# Altium PCB HIVE_BOARD - 10x10.PcbDoc (part 2 of 4)
Units mm, origin at the board's own origin, x right, y up, seen from the top; angles counter-clockwise.
Board outline 100 x 100 mm, 8 copper layers (Top, GND_1, Signal_1, GND_2, PWR, Signal_2, GND_3, Bottom), stack 1.6 mm thick; 627 components, 452 nets, 2398 pads, 70 vias.
Unrouted connection lines stored in the file: 1823.
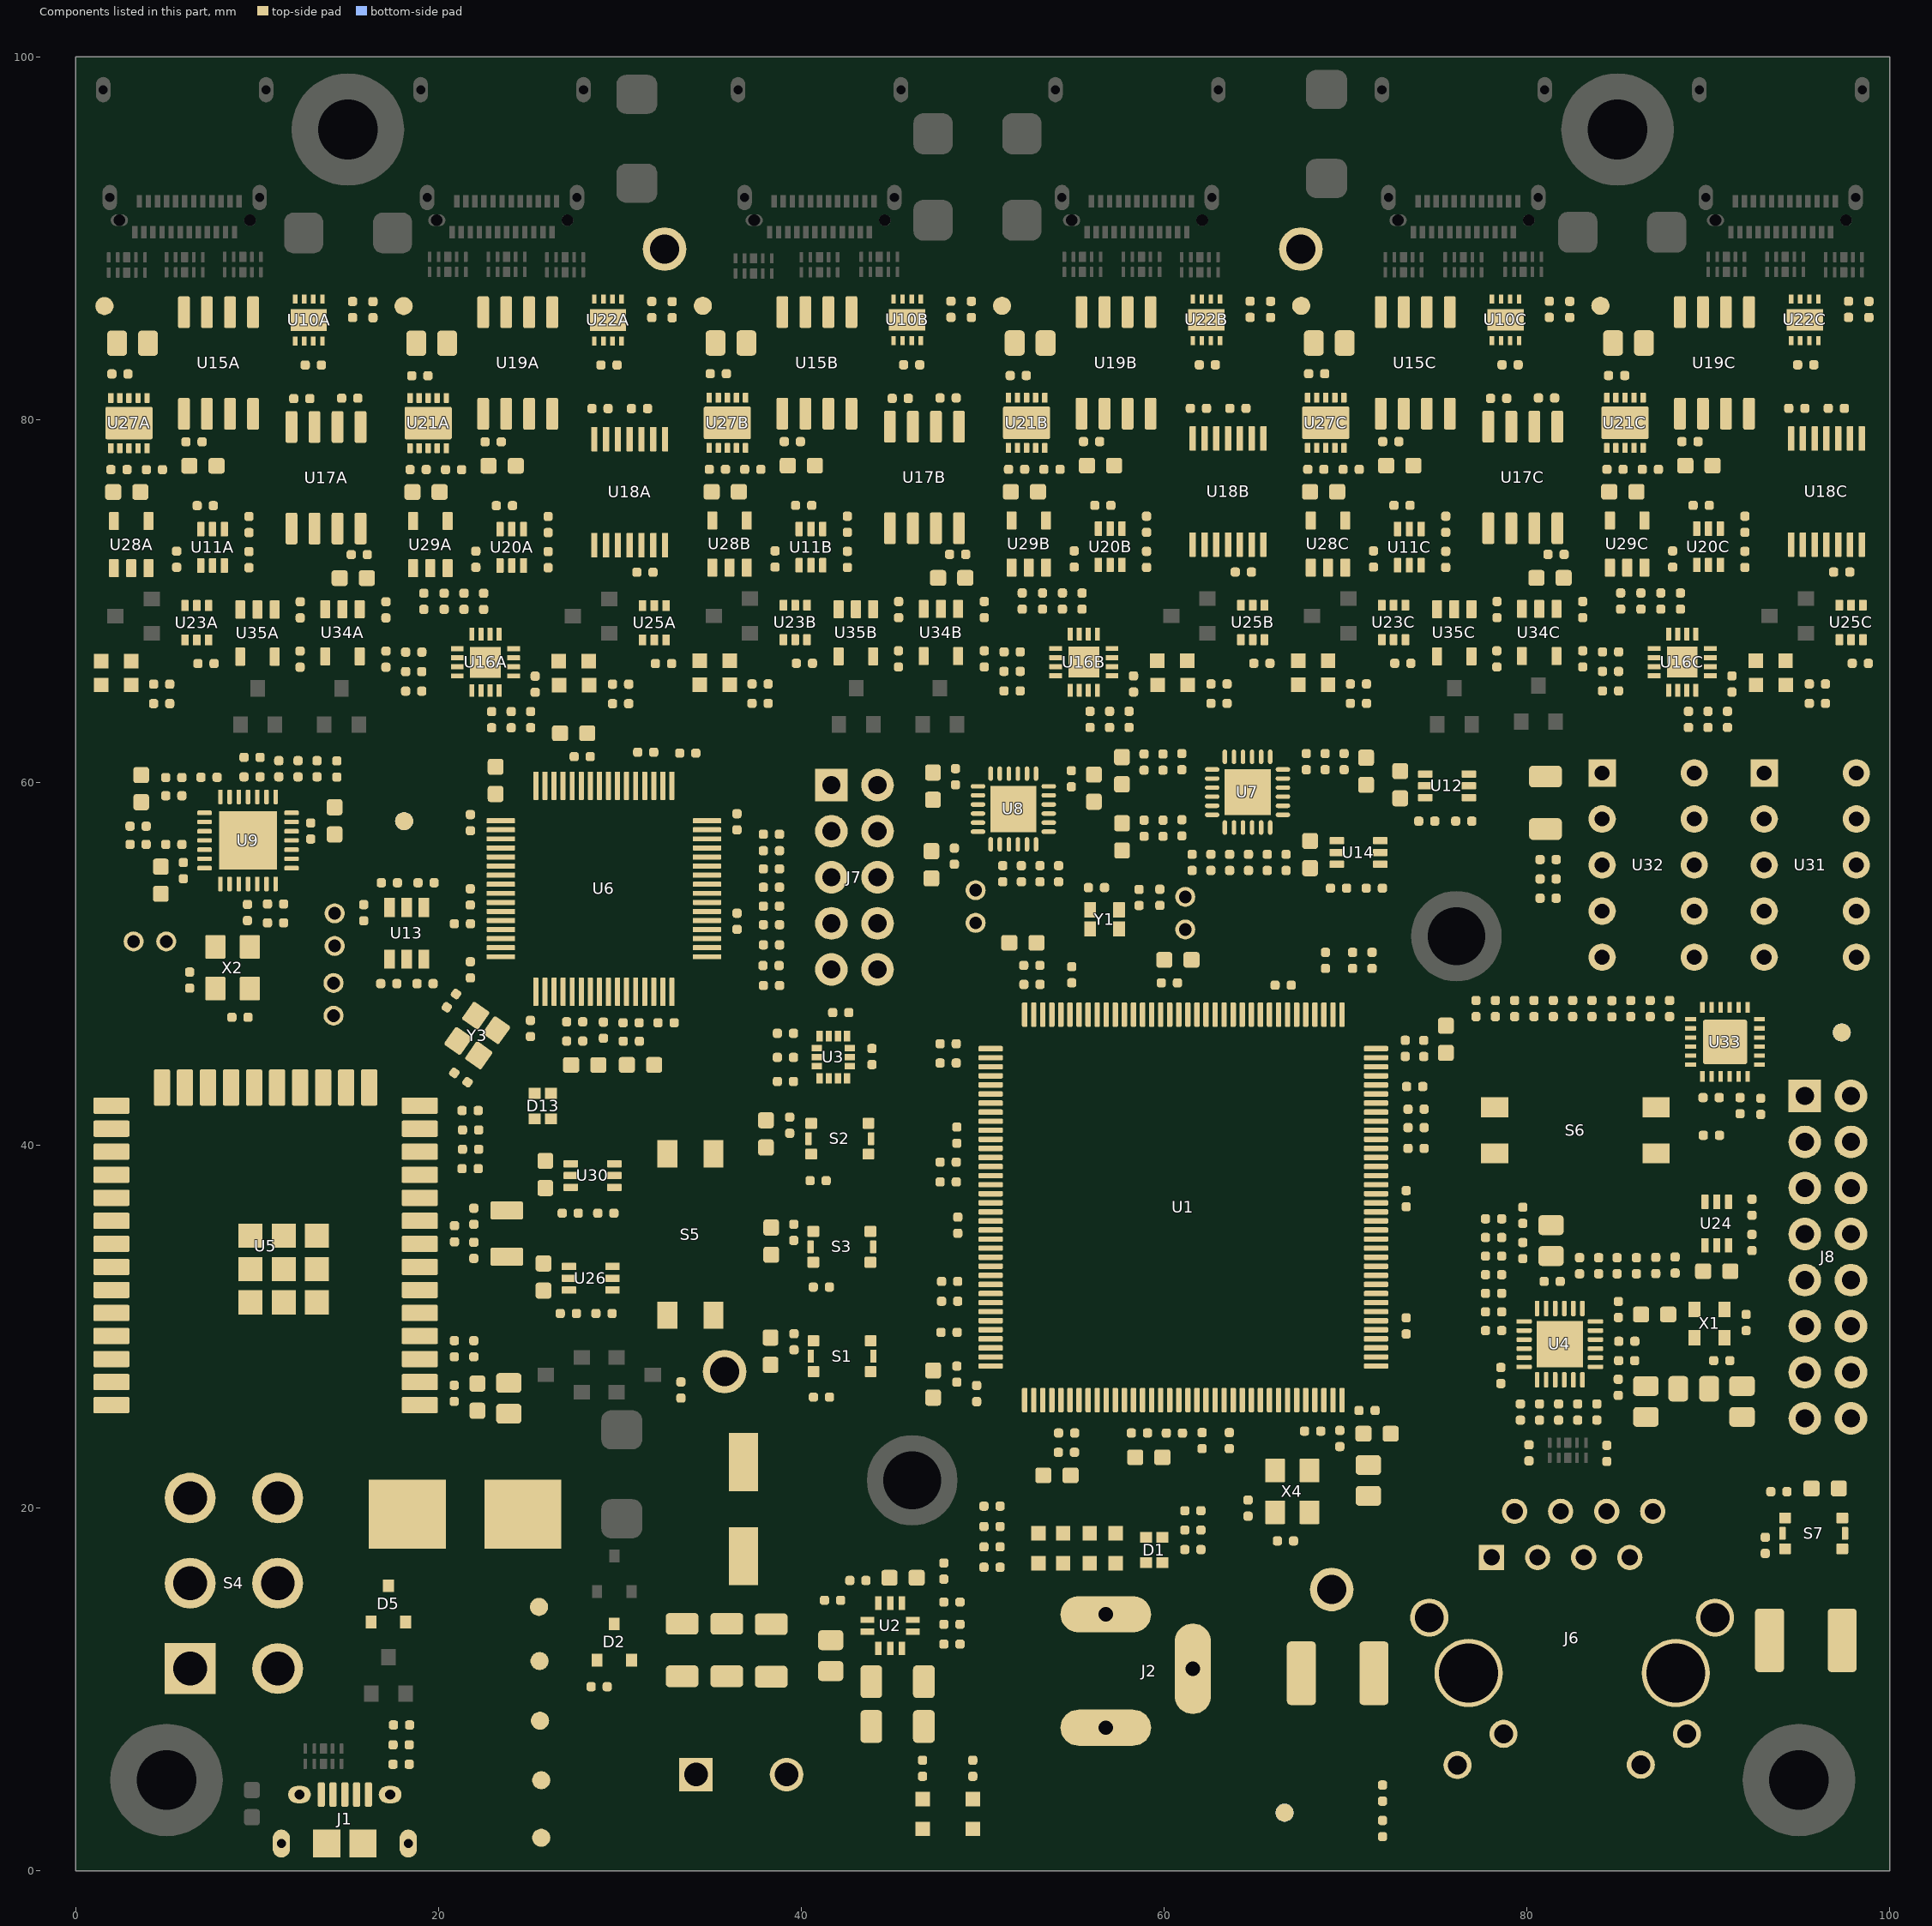
[diagram p6: the components of this part, seen from the top]

## Components (designator, comment, footprint, x,y, rotation, side; value= is the part's Value field where it differs from the comment) (continued)
R69 "RC0402FR-0710KL" RES_0402#2 17.286,54.471 r180 top value=10k
R70 "RC0402FR-071ML" RES_0402#2 25.064,46.437 r90 top value=1M
R71 "RC0402FR-07150RL" RES_0402#2 39.358,41.105 r90 top value=150R
R72 "RC0402FR-072K2L" RES_0402#2 19.253,48.909 r180 top value=2k2
R73 "RC0402FR-0710KL" RES_0402#2 78.166,29.786 r180 top value=10k
R74 "RC0402FR-0712KL" RES_0402#2 29.084,46.345 r90 top value=12k
R75 "RC0402FR-0710KL" RES_0402#2 85.51,29.192 r180 top value=10k
R76 "RC0402FR-0710KL" RES_0402#2 85.506,28.125 r180 top value=10k
R77A "ERJ-2RKF4750X" RES_0402#1 4.731,65.42 r0 top value=475R (schematic designator R77)
R77B "ERJ-2RKF4750X" RES_0402#1 37.724,65.433 r0 top value=475R (schematic designator R77)
R77C "ERJ-2RKF4750X" RES_0402#1 70.717,65.433 r0 top value=475R (schematic designator R77)
R78 "RC0402FR-0710KL" RES_0402#2 79.779,34.192 r90 top value=10k
R79 "RC0402FR-07100RP" RES_0402#2 38.349,53.184 r180 top value=100R
R80 "RC0402FR-071KL" RES_0402#2 63.615,55.594 r270 top value=1k
R81 "RC0402FR-071KL" RES_0402#2 61.543,55.594 r270 top value=1k
R82 "RC0402FR-0733RL" RES_0402#2 58.622,53.662 r270 top value=33R
R83 "RC0402FR-071KL" RES_0402#2 64.652,55.596 r90 top value=1k
R84 "RC0402FR-071KL" RES_0402#2 62.579,55.596 r90 top value=1k
R85 "RC0402FR-071KL" RES_0402#2 65.688,55.594 r270 top value=1k
R86 "RC0402FR-071KL" RES_0402#2 66.724,55.594 r270 top value=1k
R87 "RC0402FR-071KL" RES_0402#2 51.105,54.97 r270 top value=1k
R88 "RC0402FR-071KL" RES_0402#1 52.131,54.972 r90 top value=1k
R89 "RC0402FR-071KL" RES_0402#2 53.157,54.97 r270 top value=1k
R90 "RC0402FR-071KL" RES_0402#2 54.184,54.97 r270 top value=1k
R91 "RC0402FR-0710KL" RES_0402#1 21.942,28.778 r90 top value=10k
R92 "RC0402FR-0710KL" RES_0402#2 33.36,26.504 r90 top value=10k
R93A "RC0402FR-07100KL" RES_0402#2 9.543,74.225 r270 top value=100k (schematic designator R93)
R93B "RC0402FR-07100KL" RES_0402#2 42.536,74.238 r270 top value=100k (schematic designator R93)
R93C "RC0402FR-07100KL" RES_0402#2 75.529,74.238 r270 top value=100k (schematic designator R93)
R94A "RC0402FR-07100RP" RES_0402#2 13.091,83.016 r0 top value=100R (schematic designator R94)
R94B "RC0402FR-07100RP" RES_0402#2 46.084,83.029 r0 top value=100R (schematic designator R94)
R94C "RC0402FR-07100RP" RES_0402#2 79.077,83.029 r0 top value=100R (schematic designator R94)
R95A "RC0402FR-07100KL" RES_0402#2 5.556,72.308 r270 top value=100k (schematic designator R95)
R95B "RC0402FR-07100KL" RES_0402#2 38.549,72.322 r270 top value=100k (schematic designator R95)
R95C "RC0402FR-07100KL" RES_0402#2 71.542,72.322 r270 top value=100k (schematic designator R95)
R96 "RC0402FR-07100KL" RES_0402#1 74.482,57.871 r0 top value=100k
R97A "RC0402FR-07100KL" RES_0402#2 9.543,72.288 r90 top value=100k (schematic designator R97)
R97B "RC0402FR-07100KL" RES_0402#2 42.536,72.302 r90 top value=100k (schematic designator R97)
R97C "RC0402FR-07100KL" RES_0402#2 75.53,72.302 r90 top value=100k (schematic designator R97)
R98 "RC0402FR-07100KL" RES_0402#1 69.618,54.174 r180 top value=100k
R99A "RC0402FR-07100KL" RES_0402#2 31.376,71.59 r0 top value=100k (schematic designator R99)
R99B "RC0402FR-07100KL" RES_0402#2 64.369,71.604 r0 top value=100k (schematic designator R99)
R99C "RC0402FR-07100KL" RES_0402#2 97.362,71.604 r0 top value=100k (schematic designator R99)
R100A "RC0402FR-07100KL" RES_0402#2 22.484,69.988 r270 top value=100k (schematic designator R100)
R100B "RC0402FR-07100KL" RES_0402#2 55.477,70.002 r270 top value=100k (schematic designator R100)
R100C "RC0402FR-07100KL" RES_0402#2 88.47,70.002 r270 top value=100k (schematic designator R100)
R101A "RC0402FR-07100KL" RES_0402#1 24.001,63.466 r270 top value=100k (schematic designator R101)
R101B "RC0402FR-07100KL" RES_0402#1 56.994,63.479 r270 top value=100k (schematic designator R101)
R101C "RC0402FR-07100KL" RES_0402#1 89.987,63.479 r270 top value=100k (schematic designator R101)
R102A "RC0402FR-070RL" RES_0402#2 22.925,63.466 r270 top value=0R (schematic designator R102)
R102B "RC0402FR-070RL" RES_0402#2 55.918,63.479 r270 top value=0R (schematic designator R102)
R102C "RC0402FR-070RL" RES_0402#2 88.911,63.479 r270 top value=0R (schematic designator R102)
R103A "RC0402FR-0784R5L" RES_0402#2 15.1,81.19 r0 top value=84R5 (schematic designator R103)
R103B "RC0402FR-0784R5L" RES_0402#2 48.093,81.203 r0 top value=84R5 (schematic designator R103)
R103C "RC0402FR-0784R5L" RES_0402#2 81.086,81.203 r0 top value=84R5 (schematic designator R103)
R104A "RC0402FR-0784R5L" RES_0402#2 12.458,81.165 r0 top value=84R5 (schematic designator R104)
R104B "RC0402FR-0784R5L" RES_0402#2 45.451,81.178 r0 top value=84R5 (schematic designator R104)
R104C "RC0402FR-0784R5L" RES_0402#2 78.445,81.178 r0 top value=84R5 (schematic designator R104)
R105A "RC0402FR-070RL" RES_0402#2 18.627,66.114 r180 top value=0R (schematic designator R105)
R105B "RC0402FR-070RL" RES_0402#2 51.62,66.127 r180 top value=0R (schematic designator R105)
R105C "RC0402FR-070RL" RES_0402#2 84.613,66.127 r180 top value=0R (schematic designator R105)
R106A "RC0402FR-07100KL" RES_0402#2 21.4,69.99 r90 top value=100k (schematic designator R106)
R106B "RC0402FR-07100KL" RES_0402#2 54.393,70.004 r90 top value=100k (schematic designator R106)
R106C "RC0402FR-07100KL" RES_0402#2 87.386,70.004 r90 top value=100k (schematic designator R106)
R107A "RC0402FR-07100KL" RES_0402#2 20.305,69.991 r270 top value=100k (schematic designator R107)
R107B "RC0402FR-07100KL" RES_0402#2 53.298,70.004 r270 top value=100k (schematic designator R107)
R107C "RC0402FR-07100KL" RES_0402#2 86.291,70.004 r270 top value=100k (schematic designator R107)
R108A "RC0402FR-0740K2L" RES_0402#2 19.186,69.991 r270 top value=40k2 (schematic designator R108)
R108B "RC0402FR-0740K2L" RES_0402#2 52.179,70.004 r270 top value=40k2 (schematic designator R108)
R108C "RC0402FR-0740K2L" RES_0402#2 85.172,70.004 r270 top value=40k2 (schematic designator R108)
R109 "RC0402FR-07100KL" RES_0402#1 92.412,34.636 r90 top value=100k
R110A "ERJ-2RKF4750X" RES_0402#2 30.034,65.419 r0 top value=475R (schematic designator R110)
R110B "ERJ-2RKF4750X" RES_0402#2 63.027,65.432 r0 top value=475R (schematic designator R110)
R110C "ERJ-2RKF4750X" RES_0402#2 96.02,65.432 r0 top value=475R (schematic designator R110)
R111A "RC0402FR-07100KL" RES_0402#2 18.627,65.038 r180 top value=100k (schematic designator R111)
R111B "RC0402FR-07100KL" RES_0402#1 51.62,65.051 r180 top value=100k (schematic designator R111)
R111C "RC0402FR-07100KL" RES_0402#1 84.613,65.051 r180 top value=100k (schematic designator R111)
R112A "RC0402FR-07100KL" RES_0402#2 26.039,74.225 r270 top value=100k (schematic designator R112)
R112B "RC0402FR-07100KL" RES_0402#2 59.032,74.238 r270 top value=100k (schematic designator R112)
R112C "RC0402FR-07100KL" RES_0402#2 92.025,74.238 r270 top value=100k (schematic designator R112)
R113A "RC0402FR-07100KL" RES_0402#1 18.629,67.19 r0 top value=100k (schematic designator R113)
R113B "RC0402FR-07100KL" RES_0402#1 51.622,67.203 r0 top value=100k (schematic designator R113)
R113C "RC0402FR-07100KL" RES_0402#1 84.615,67.203 r0 top value=100k (schematic designator R113)
R114 "RC0402FR-0710KL" RES_0402#1 90.176,40.547 r0 top value=10k
R115A "ERJ-2RKF4750X" RES_0402#2 4.731,64.35 r0 top value=475R (schematic designator R115)
R115B "ERJ-2RKF4750X" RES_0402#2 37.724,64.363 r0 top value=475R (schematic designator R115)
R115C "ERJ-2RKF4750X" RES_0402#2 70.717,64.363 r0 top value=475R (schematic designator R115)
R116 "RC0402FR-0710KL" RES_0402#1 48.176,31.398 r0 top value=10k
R117A "RC0402FR-07100KL" RES_0402#2 22.052,72.308 r270 top value=100k (schematic designator R117)
R117B "RC0402FR-07100KL" RES_0402#2 55.045,72.322 r270 top value=100k (schematic designator R117)
R117C "RC0402FR-07100KL" RES_0402#2 88.038,72.322 r270 top value=100k (schematic designator R117)
R118A "RC0402FR-07100KL" RES_0402#2 26.039,72.288 r90 top value=100k (schematic designator R118)
R118B "RC0402FR-07100KL" RES_0402#2 59.032,72.302 r90 top value=100k (schematic designator R118)
R118C "RC0402FR-07100KL" RES_0402#2 92.026,72.302 r90 top value=100k (schematic designator R118)
R119A "RC0402FR-07100KL" RES_0402#2 31.077,80.617 r180 top value=100k (schematic designator R119)
R119B "RC0402FR-07100KL" RES_0402#2 64.07,80.63 r180 top value=100k (schematic designator R119)
R119C "RC0402FR-07100KL" RES_0402#2 97.063,80.63 r180 top value=100k (schematic designator R119)
R120 "RC0402FR-07100KL" RES_0402#1 27.154,30.725 r0 top value=100k
R121 "RC0402FR-0710KL" RES_0402#1 93.896,20.899 r180 top value=10k
R122 "RC0402FR-0710KL" RES_0402#1 48.176,32.49 r180 top value=10k
R123A "ERJ-2RKF4750X" RES_0402#2 30.034,64.349 r0 top value=475R (schematic designator R123)
R123B "ERJ-2RKF4750X" RES_0402#2 63.027,64.362 r0 top value=475R (schematic designator R123)
R123C "ERJ-2RKF4750X" RES_0402#2 96.02,64.362 r0 top value=475R (schematic designator R123)
R124A "RC0402FR-07100KL" RES_0402#2 25.077,63.468 r90 top value=100k (schematic designator R124)
R124B "RC0402FR-07100KL" RES_0402#2 58.07,63.481 r90 top value=100k (schematic designator R124)
R124C "RC0402FR-07100KL" RES_0402#2 91.063,63.481 r90 top value=100k (schematic designator R124)
R125 "RC0402FR-07100KL" RES_0402#1 27.255,36.255 r0 top value=100k
R126 "RC0402FR-0710KL" RES_0402#1 33.738,61.618 r0 top value=10k
R127A "RC0402FR-07100KL" RES_0402#2 20.825,77.251 r0 top value=100k (schematic designator R127)
R127B "RC0402FR-07100KL" RES_0402#2 53.818,77.264 r0 top value=100k (schematic designator R127)
R127C "RC0402FR-07100KL" RES_0402#2 86.811,77.264 r0 top value=100k (schematic designator R127)
R128A "RC0402FR-07100RP" RES_0402#2 29.392,83.016 r0 top value=100R (schematic designator R128)
R128B "RC0402FR-07100RP" RES_0402#2 62.385,83.029 r0 top value=100R (schematic designator R128)
R128C "RC0402FR-07100RP" RES_0402#2 95.379,83.029 r0 top value=100R (schematic designator R128)
R129 "ERJ-2RKF4750X" RES_0402#1 50.514,16.733 r0 top value=475R
R130 "RC0402FR-0747RL" RES_0402#1 69.689,23.831 r90 top value=47R
R131 "RC0402FR-07100KL" RES_0402#1 39.124,46.17 r0 top value=100k
R132 "RC0402FR-071ML" RES_0402#2 20.876,35.119 r270 top value=1M
R133A "RC0402FR-07100KL" RES_0402#2 4.329,77.251 r0 top value=100k (schematic designator R133)
R133B "RC0402FR-07100KL" RES_0402#1 37.322,77.264 r0 top value=100k (schematic designator R133)
R133C "RC0402FR-07100KL" RES_0402#1 70.315,77.264 r0 top value=100k (schematic designator R133)
R134 "RC0402FR-0710KL" RES_0402#1 91.756,42.183 r270 top value=10k
R135 "RC0402FR-07150RL" RES_0402#1 81.459,47.536 r90 top value=150R
R136 "RC0402FR-07150RL" RES_0402#1 81.172,55.75 r0 top value=150R
R137 "RC0402FR-07150RL" RES_0402#1 82.525,47.536 r90 top value=150R
R138 "RC0402FR-07150RL" RES_0402#1 81.172,54.684 r0 top value=150R
R139 "RC0402FR-07150RL" RES_0402#1 83.59,47.536 r90 top value=150R
R140 "RC0402FR-07150RL" RES_0402#1 81.172,53.619 r0 top value=150R
R141 "RC0402FR-07150RL" RES_0402#1 77.198,47.536 r90 top value=150R
R142 "RC0402FR-07150RL" RES_0402#1 84.687,47.525 r90 top value=150R
R143 "RC0402FR-07150RL" RES_0402#1 78.263,47.536 r90 top value=150R
R144 "RC0402FR-07150RL" RES_0402#1 85.73,47.536 r90 top value=150R
R145 "RC0402FR-07150RL" RES_0402#1 80.394,47.536 r90 top value=150R
R146 "RC0402FR-07150RL" RES_0402#1 87.872,47.536 r90 top value=150R
R147 "RC0402FR-07150RL" RES_0402#1 79.329,47.536 r90 top value=150R
R148 "RC0402FR-07150RL" RES_0402#1 86.807,47.536 r90 top value=150R
R149 "RC0402FR-07150RL" RES_0402#1 93.146,17.94 r270 top value=150R
R151A "CRCW04023R48FKED" RES_0402#1 2.428,82.526 r0 top value=3R48 (schematic designator R151)
R151B "CRCW04023R48FKED" RES_0402#1 35.421,82.539 r0 top value=3R48 (schematic designator R151)
R151C "CRCW04023R48FKED" RES_0402#1 68.414,82.539 r0 top value=3R48 (schematic designator R151)
R152A "CRCW04023R48FKED" RES_0402#1 18.966,82.426 r0 top value=3R48 (schematic designator R152)
R152B "CRCW04023R48FKED" RES_0402#1 51.959,82.439 r0 top value=3R48 (schematic designator R152)
R152C "CRCW04023R48FKED" RES_0402#1 84.952,82.439 r0 top value=3R48 (schematic designator R152)
R153 "RC0402FR-0710KL" RES_0402#1 92.894,42.143 r270 top value=10k
R154A "RC0402FR-07100KL" RES_0402#1 17.094,69.52 r90 top value=100k (schematic designator R154)
R154B "RC0402FR-07100KL" RES_0402#1 50.087,69.533 r90 top value=100k (schematic designator R154)
R154C "RC0402FR-07100KL" RES_0402#1 83.08,69.533 r90 top value=100k (schematic designator R154)
R155A "RC0402FR-07100KL" RES_0402#1 12.37,69.52 r90 top value=100k (schematic designator R155)
R155B "RC0402FR-07100KL" RES_0402#1 45.363,69.533 r90 top value=100k (schematic designator R155)
R155C "RC0402FR-07100KL" RES_0402#1 78.356,69.533 r90 top value=100k (schematic designator R155)
R156 "RC0402FR-0710KL" RES_0402#1 79.778,36.138 r90 top value=10k
R157 "RC0402FR-0710KL" RES_0402#1 82.907,33.357 r270 top value=10k
R158 "RC0402FR-0710KL" RES_0402#1 86.043,33.357 r270 top value=10k
R159 "RC0402FR-0710KL" RES_0402#1 78.168,34.914 r0 top value=10k
R160 "RC0402FR-0710KL" RES_0402#1 78.168,30.811 r0 top value=10k
R161 "RC0402FR-0733RL" RES_0402#1 48.095,39.068 r0 top value=33R
R162 "RC0402FR-0733RL" RES_0402#1 73.892,41.987 r180 top value=33R
R163 "RC0402FR-0733RL" RES_0402#1 48.094,45.596 r180 top value=33R
R165 "RC0402FR-0733RL" RES_0402#1 71.465,50.192 r270 top value=33R
R166 "RC0402FR-0733RL" RES_0402#1 48.094,44.534 r180 top value=33R
R167 "RC0402FR-0733RL" RES_0402#1 70.392,50.192 r270 top value=33R
R168 "RC0402FR-0733RL" RES_0402#1 68.898,50.192 r270 top value=33R
R169 "RC0402FR-0733RL" RES_0402#1 62.094,23.715 r90 top value=33R
R170 "RC0402FR-0733RL" RES_0402#1 63.597,23.715 r270 top value=33R
R171 "RC0402FR-0733RL" RES_0402#1 48.095,37.976 r180 top value=33R
R172 "RC0402FR-0733RL" RES_0402#1 73.894,39.825 r0 top value=33R
R173 "RC0402FR-0733RL" RES_0402#1 73.894,40.972 r0 top value=33R
S1 "435171014816" SWI_TACT_435171014816#1 42.247,28.368 r0 top value=SPST-NO
S2 "435171014816" SWI_TACT_435171014816#1 42.119,40.359 r0 top value=SPST-NO
S3 "435171014816" SWI_TACT_435171014816#1 42.233,34.4 r0 top value=SPST-NO
S4 "500SDP1S1M2QEA" SWI_500SDP1S1M2QEA 8.714,15.851 r90 top value=DPDT
S5 "A6S-2104-H" SWI_A6S-2104-H 33.885,35.08 r90 top
S6 "A6S-2104-H" SWI_A6S-2104-H 82.671,40.822 r180 top
S7 "435171014816" SWI_TACT_435171014816#2 95.817,18.6 r180 top value=SPST-NO
TP1 "1 MM" TPO_SMD_ROUND_1MM#1 25.66,1.819 r0 top
TP2 "1 MM" TPO_SMD_ROUND_1MM#2 25.534,14.543 r270 top
TP3 "1 MM" TPO_SMD_ROUND_1MM#2 25.66,4.989 r90 top
TP4 "1 MM" TPO_SMD_ROUND_1MM#2 25.567,11.562 r90 top
TP5 "1 MM" TPO_SMD_ROUND_1MM#1 25.59,8.272 r90 top
TP6A "1 MM" TPO_SMD_ROUND_1MM#2 1.575,86.27 r90 top (schematic designator TP6)
TP6B "1 MM" TPO_SMD_ROUND_1MM#1 34.568,86.284 r90 top (schematic designator TP6)
TP6C "1 MM" TPO_SMD_ROUND_1MM#1 67.561,86.284 r90 top (schematic designator TP6)
TP7A "1 MM" TPO_SMD_ROUND_1MM#2 18.071,86.27 r90 top (schematic designator TP7)
TP7B "1 MM" TPO_SMD_ROUND_1MM#1 51.064,86.284 r90 top (schematic designator TP7)
TP7C "1 MM" TPO_SMD_ROUND_1MM#1 84.057,86.284 r90 top (schematic designator TP7)
TP8 "TH ROUND x2" TPO_TH_ROUND_0.7mm_DOUBLE 4.084,51.235 r0 top
TP9 "TH ROUND x2" TPO_TH_ROUND_0.7mm_DOUBLE 14.266,51.887 r270 top
TP10 "TH ROUND x2" TPO_TH_ROUND_0.7mm_DOUBLE 14.209,48.043 r270 top
TP11 "TH ROUND x2" TPO_TH_ROUND_0.7mm_DOUBLE 61.166,52.794 r270 top
TP12 "TH ROUND x2" TPO_TH_ROUND_0.7mm_DOUBLE 49.606,53.162 r270 top
TP13 "5011" TPO_5011 69.239,15.504 r0 top
TP14 "5011" TPO_5011 67.539,89.408 r0 top
TP15 "5011" TPO_5011 32.462,89.408 r0 top
TP16 "5011" TPO_5011 35.768,27.518 r0 top
U1 "STM32H735ZGT6" MCU_STM32H735ZGT6 61.061,36.575 r90 top locked value="550MHz MCU"
U2 "RPL-3.0-CT" REG_SWR_RPL-3.0-CT 44.899,13.507 r0 top
U3 "LSM6DSMTR" SEN_IMU_LSM6DSMTR 41.764,44.857 r270 top value=-
U4 "LAN8742A-CZ" COM_ETH_LAN8742A-CZ-TR 81.815,29.033 r180 top
U5 "ESP32-WROOM-32UE (4MB)" COM_ESP32-WROOM-32UE(8MB) 10.461,33.171 r180 top
U6 "FT4232HL-REEL" COM_USB_FT4232HL-REEL 29.113,54.14 r90 top
U7 "SI53342-B-GM" TIM_FAN_SI53342-B-GM#1 64.6,59.467 r0 top value=2:6
U8 "SI53342-B-GM" TIM_FAN_SI53342-B-GM#2 51.69,58.537 r0 top value=2:6
U9 "USB2412-DZK" USB_USB2412-DZK 9.492,56.805 r180 top value=2-PORTS
U10A "DS90LV001TLD/NOPB" COM_BUF_DS90LV001TLD/NOPB 12.841,85.496 r90 top value=LVDS (schematic designator U10)
U10B "DS90LV001TLD/NOPB" COM_BUF_DS90LV001TLD/NOPB 45.834,85.51 r90 top value=LVDS (schematic designator U10)
U10C "DS90LV001TLD/NOPB" COM_BUF_DS90LV001TLD/NOPB 78.827,85.51 r90 top value=LVDS (schematic designator U10)
U11A "TC7PZ05FU,LJ(CT" LOG_BUF_TC7PZ05FU,LJ(CT#1 7.536,72.963 r90 top (schematic designator U11)
U11B "TC7PZ05FU,LJ(CT" LOG_BUF_TC7PZ05FU,LJ(CT#1 40.529,72.977 r90 top (schematic designator U11)
U11C "TC7PZ05FU,LJ(CT" LOG_BUF_TC7PZ05FU,LJ(CT#1 73.523,72.977 r90 top (schematic designator U11)
U12 "MIC94072YC6-TR" POW_MIC94072YC6-TR 75.601,59.814 r0 top value=120mOhm
U13 "93LC46AT-E/OT" MEM_EEPROM_93LC46AT-E/OT 18.242,51.684 r90 top value=1Kb
U14 "MIC94072YC6-TR" POW_MIC94072YC6-TR 70.723,56.141 r0 top value=120mOhm
U15A "FIN1027AMX" COM_XCV_FIN1027AMCOM 7.863,83.126 r90 top value=600Mbps (schematic designator U15)
U15B "FIN1027AMX" COM_XCV_FIN1027AMCOM 40.856,83.139 r90 top value=600Mbps (schematic designator U15)
U15C "FIN1027AMX" COM_XCV_FIN1027AMCOM 73.849,83.139 r90 top value=600Mbps (schematic designator U15)
U16A "LM339LVRTER" CMP_LM339LVRTER 22.582,66.623 r180 top (schematic designator U16)
U16B "LM339LVRTER" CMP_LM339LVRTER 55.575,66.636 r180 top (schematic designator U16)
U16C "LM339LVRTER" CMP_LM339LVRTER 88.569,66.636 r180 top (schematic designator U16)
U17A "FIN1028MX" COM_XCV_FIN1028MX 13.792,76.804 r270 top value=400Mbps (schematic designator U17)
U17B "FIN1028MX" COM_XCV_FIN1028MX 46.785,76.818 r270 top value=400Mbps (schematic designator U17)
U17C "FIN1028MX" COM_XCV_FIN1028MX 79.778,76.818 r270 top value=400Mbps (schematic designator U17)
U18A "74LVC126APW,118" LOG_BUF_74LVC126APW,118#1 30.534,76.008 r90 top (schematic designator U18)
U18B "74LVC126APW,118" LOG_BUF_74LVC126APW,118#2 63.527,76.041 r90 top (schematic designator U18)
U18C "74LVC126APW,118" LOG_BUF_74LVC126APW,118#2 96.52,76.041 r90 top (schematic designator U18)
U19A "FIN1027AMX" COM_XCV_FIN1027AMCOM 24.359,83.126 r90 top value=600Mbps (schematic designator U19)
U19B "FIN1027AMX" COM_XCV_FIN1027AMCOM 57.352,83.139 r90 top value=600Mbps (schematic designator U19)
U19C "FIN1027AMX" COM_XCV_FIN1027AMCOM 90.345,83.139 r90 top value=600Mbps (schematic designator U19)
U20A "TC7PZ05FU,LJ(CT" LOG_BUF_TC7PZ05FU,LJ(CT#1 24.032,72.963 r90 top (schematic designator U20)
U20B "TC7PZ05FU,LJ(CT" LOG_BUF_TC7PZ05FU,LJ(CT#2 57.025,72.996 r90 top (schematic designator U20)
U20C "TC7PZ05FU,LJ(CT" LOG_BUF_TC7PZ05FU,LJ(CT#2 90.019,72.996 r90 top (schematic designator U20)
U21A "NIS6150MT1TXG" POW_NIS6150MT1TXG#1 19.424,79.817 r90 top (schematic designator U21)
U21B "NIS6150MT1TXG" POW_NIS6150MT1TXG#2 52.417,79.83 r90 top (schematic designator U21)
U21C "NIS6150MT1TXG" POW_NIS6150MT1TXG#2 85.41,79.83 r90 top (schematic designator U21)
U22A "DS90LV001TLD/NOPB" COM_BUF_DS90LV001TLD/NOPB 29.337,85.496 r90 top value=LVDS (schematic designator U22)
U22B "DS90LV001TLD/NOPB" COM_BUF_DS90LV001TLD/NOPB 62.33,85.51 r90 top value=LVDS (schematic designator U22)
U22C "DS90LV001TLD/NOPB" COM_BUF_DS90LV001TLD/NOPB 95.323,85.51 r90 top value=LVDS (schematic designator U22)
U23A "74LVC1G11DW-7" LOG_AND_74LVC1G11DW-7 6.668,68.809 r270 top (schematic designator U23)
U23B "74LVC1G11DW-7" LOG_AND_74LVC1G11DW-7 39.661,68.822 r270 top (schematic designator U23)
U23C "74LVC1G11DW-7" LOG_AND_74LVC1G11DW-7 72.654,68.822 r270 top (schematic designator U23)
U24 "MIC94072YC6-TR" POW_MIC94072YC6-TR 90.472,35.68 r90 top value=120mOhm
U25A "74LVC1G11DW-7" LOG_AND_74LVC1G11DW-7 31.892,68.808 r270 top (schematic designator U25)
U25B "74LVC1G11DW-7" LOG_AND_74LVC1G11DW-7 64.885,68.821 r270 top (schematic designator U25)
U25C "74LVC1G11DW-7" LOG_AND_74LVC1G11DW-7 97.878,68.821 r270 top (schematic designator U25)
U26 "MIC94072YC6-TR" POW_MIC94072YC6-TR 28.388,32.666 r0 top value=120mOhm
U27A "NIS6150MT1TXG" POW_NIS6150MT1TXG#1 2.928,79.817 r90 top (schematic designator U27)
U27B "NIS6150MT1TXG" POW_NIS6150MT1TXG#2 35.921,79.83 r90 top (schematic designator U27)
U27C "NIS6150MT1TXG" POW_NIS6150MT1TXG#2 68.914,79.83 r90 top (schematic designator U27)
U28A "74AHC1G07GV,125" "LOG_BUF_ 74AHC1G07GV,125"#1 3.052,73.113 r90 top (schematic designator U28)
U28B "74AHC1G07GV,125" "LOG_BUF_ 74AHC1G07GV,125"#2 36.045,73.146 r90 top (schematic designator U28)
U28C "74AHC1G07GV,125" "LOG_BUF_ 74AHC1G07GV,125"#2 69.038,73.146 r90 top (schematic designator U28)
U29A "74AHC1G07GV,125" "LOG_BUF_ 74AHC1G07GV,125"#1 19.548,73.113 r90 top (schematic designator U29)
U29B "74AHC1G07GV,125" "LOG_BUF_ 74AHC1G07GV,125"#2 52.541,73.146 r90 top (schematic designator U29)
U29C "74AHC1G07GV,125" "LOG_BUF_ 74AHC1G07GV,125"#2 85.534,73.146 r90 top (schematic designator U29)
U30 "MIC94072YC6-TR" POW_MIC94072YC6-TR 28.489,38.326 r0 top value=120mOhm
U31 "INND-TS30RAB" LED_7SEG_INND-TS30RAB 95.626,55.448 r0 top
U32 "INND-TS30RAB" LED_7SEG_INND-TS30RAB 86.69,55.448 r0 top
U33 "TCA9539RGER" LOG_IOEXP_TCA9539RGER 90.929,45.693 r180 top
U34A "74LVC1G126GV,125" "LOG_BUF_ 74LVC1G126GV,125" 14.698,68.253 r270 top value="BUF 5V" (schematic designator U34)
U34B "74LVC1G126GV,125" "LOG_BUF_ 74LVC1G126GV,125" 47.691,68.266 r270 top value="BUF 5V" (schematic designator U34)
U34C "74LVC1G126GV,125" "LOG_BUF_ 74LVC1G126GV,125" 80.684,68.266 r270 top value="BUF 5V" (schematic designator U34)
U35A "74LVC1G126GV,125" "LOG_BUF_ 74LVC1G126GV,125" 10.012,68.238 r270 top value="BUF 5V" (schematic designator U35)
U35B "74LVC1G126GV,125" "LOG_BUF_ 74LVC1G126GV,125" 43.005,68.251 r270 top value="BUF 5V" (schematic designator U35)
U35C "74LVC1G126GV,125" "LOG_BUF_ 74LVC1G126GV,125" 75.999,68.251 r270 top value="BUF 5V" (schematic designator U35)
X1 "ASDM1-25.000MHZ-LC-T" OSC_CRY_ASDM1-25.000MHZ-LC-T 90.07,30.167 r180 top value=25.000MHz
X2 "O 24,0-JO32-B-1V3-1-T1-LF" "OSC_O 24,0-JO32-B-1V3-1-T1-LF"#1 8.641,49.785 r90 top value=24MHz
X3 "VMK3-9005-32K7680000" CRY_VMK3-9005-32K7680000 23.755,35.128 r90 top value=32.7680kHz
X4 "O 24,0-JO32-B-1V3-1-T1-LF" "OSC_O 24,0-JO32-B-1V3-1-T1-LF"#2 67.067,20.914 r90 top value=24MHz
Y1 "O 38,40-JT21G-E-M-3,3-LF" "OSC_O 38,40-JT21G-E-M-3,3-LF" 56.716,52.452 r90 top value="38.4 MHz"
Y3 "FA-20H 12.0000MD30Z-K3" CRY_FA-20H 22.13,46.047 r235 top value=12MHz

## Footprints (in the part's own frame and the unit in brackets; to place one, negate y for a bottom-side part, rotate by r counter-clockwise, add the part's x,y. Pads: shape width x height; smd on the part's side, far side on the other; paste and mask are expansions set on the pad)
CAP_CER_0402#1 [mil] "Ceramic Capacitor - 0402"
  rrect60% 20x20 smd paste+0 mask+1.97: 1(-17.5,0) 2(17.5,0)
  silkscreen extent -34,-17 34,17, body extent -19,-10 20,10, height 20
CAP_CER_0402#2 [mil] "Ceramic Capacitor - 0402"
  rrect60% 20x20 smd: 1(-17.5,0) 2(17.5,0)
  silkscreen extent -34,-17 34,17, body extent -19,-10 20,10, height 20
CAP_CER_0603#1 [mil] "Ceramic Capacitor - 0603"
  rrect35% 35x34 smd paste+0 mask+1.97: 1(-29.5,0) 2(29.5,0)
  silkscreen extent -53,-24 53,24, body extent -31,-16 31,16, height 35
CAP_CER_0603#2 [mil] "Ceramic Capacitor - 0603"
  rrect35% 35x34 smd: 1(-29.5,0) 2(29.5,0)
  silkscreen extent -53,-24 53,24, body extent -31,-16 31,16, height 35
CAP_CER_0805#1 [mil] "Ceramic Capacitor - 0805"
  rrect37% 43x55 smd: 1(-33.5,0) 2(33.5,0)
  silkscreen extent -62,-34 62,35, body extent -39,-24 40,25, height 49
CAP_CER_0805#2 [mil] "Ceramic Capacitor - 0805"
  rrect37% 43x55 smd paste+0 mask+1.97: 1(-33.5,0) 2(33.5,0)
  silkscreen extent -62,-34 62,35, body extent -39,-24 40,25, height 49
CAP_CER_1206#1 [mil] "Ceramic Capacitor - 1206"
  rrect34% 47x71 smd: 1(-57,0) 2(57,0)
  silkscreen extent -88,-42 88,43, body extent -62,-31 64,32, height 49
CAP_CER_1206#2 [mil] "Ceramic Capacitor - 1206"
  rrect34% 47x71 smd paste+0 mask+1.97: 1(-57,0) 2(57,0)
  silkscreen extent -88,-42 88,43, body extent -62,-31 64,32, height 49
CAP_CER_1812 [mm]
  rrect25% 1.6x3.5 smd: 1(-2,0) 2(2,0)
  silkscreen extent -3,-2 3,2, body extent -2.3,-1.6 2.3,1.6, height 1.3
CAP_POLY_APXG160ARA221MF80G [mm]
  rect 3.21x1.62 smd paste-0.025 mask+0.07: 1(-2.6,0) 2(2.6,0)
  silkscreen extent -3.4,-3.4 3.4,3.4, body extent -3.6,-3.4 3.6,3.4, height 8
CMP_LM339LVRTER [mm] "WQFN-16"
  rrect10% 0.7x0.28 smd: 1(-1.55,0.75) 2(-1.55,0.25) 3(-1.55,-0.25) 4(-1.55,-0.75) 9(1.55,-0.75) 10(1.55,-0.25) 11(1.55,0.25) 12(1.55,0.75)
  rrect10% 0.28x0.7 smd: 5(-0.75,-1.55) 6(-0.25,-1.55) 7(0.25,-1.55) 8(0.75,-1.55) 13(0.75,1.55) 14(0.25,1.55) 15(-0.25,1.55) 16(-0.75,1.55)
  rect 1.7x1.7 smd: 17(0,0)
  Top region: 0.39,-1.2 0.376,-1.139 0.337,-1.09 0.281,-1.063 0.219,-1.063 0.163,-1.09 0.124,-1.139 0.11,-1.2 0.11,-1.2 0.11,-1.55 0.39,-1.55
  Top region: -0.11,-1.2 -0.124,-1.139 -0.163,-1.09 -0.219,-1.063 -0.281,-1.063 -0.337,-1.09 -0.376,-1.139 -0.39,-1.2 -0.39,-1.2 -0.39,-1.55 -0.11,-1.55
  Top region: -0.61,-1.2 -0.624,-1.139 -0.663,-1.09 -0.719,-1.063 -0.781,-1.063 -0.837,-1.09 -0.876,-1.139 -0.89,-1.2 -0.89,-1.2 -0.89,-1.55 -0.61,-1.55
  Top region: 0.89,-1.2 0.876,-1.139 0.837,-1.09 0.781,-1.063 0.719,-1.063 0.663,-1.09 0.624,-1.139 0.61,-1.2 0.61,-1.2 0.61,-1.55 0.89,-1.55
  Top region: -1.2,-0.39 -1.139,-0.376 -1.09,-0.337 -1.063,-0.281 -1.063,-0.219 -1.09,-0.163 -1.139,-0.124 -1.2,-0.11 -1.2,-0.11 -1.55,-0.11 -1.55,-0.39
  Top region: -1.2,0.11 -1.139,0.124 -1.09,0.163 -1.063,0.219 -1.063,0.281 -1.09,0.337 -1.139,0.376 -1.2,0.39 -1.2,0.39 -1.55,0.39 -1.55,0.11
  Top region: -1.2,-0.89 -1.139,-0.876 -1.09,-0.837 -1.063,-0.781 -1.063,-0.719 -1.09,-0.663 -1.139,-0.624 -1.2,-0.61 -1.2,-0.61 -1.55,-0.61 -1.55,-0.89
  Top region: -0.39,1.2 -0.376,1.139 -0.337,1.09 -0.281,1.063 -0.219,1.063 -0.163,1.09 -0.124,1.139 -0.11,1.2 -0.11,1.2 -0.11,1.55 -0.39,1.55
  Top region: 0.11,1.2 0.124,1.139 0.163,1.09 0.219,1.063 0.281,1.063 0.337,1.09 0.376,1.139 0.39,1.2 0.39,1.2 0.39,1.55 0.11,1.55
  Top region: 0.61,1.2 0.624,1.139 0.663,1.09 0.719,1.063 0.781,1.063 0.837,1.09 0.876,1.139 0.89,1.2 0.89,1.2 0.89,1.55 0.61,1.55
  Top region: -0.89,1.2 -0.876,1.139 -0.837,1.09 -0.781,1.063 -0.719,1.063 -0.663,1.09 -0.624,1.139 -0.61,1.2 -0.61,1.2 -0.61,1.55 -0.89,1.55
  Top region: 1.2,0.39 1.139,0.376 1.09,0.337 1.063,0.281 1.063,0.219 1.09,0.163 1.139,0.124 1.2,0.11 1.2,0.11 1.55,0.11 1.55,0.39
  Top region: 1.2,-0.11 1.139,-0.124 1.09,-0.163 1.063,-0.219 1.063,-0.281 1.09,-0.337 1.139,-0.376 1.2,-0.39 1.2,-0.39 1.55,-0.39 1.55,-0.11
  Top region: 1.2,-0.61 1.139,-0.624 1.09,-0.663 1.063,-0.719 1.063,-0.781 1.09,-0.837 1.139,-0.876 1.2,-0.89 1.2,-0.89 1.55,-0.89 1.55,-0.61
  Top region: 1.2,0.89 1.139,0.876 1.09,0.837 1.063,0.781 1.063,0.719 1.09,0.663 1.139,0.624 1.2,0.61 1.2,0.61 1.55,0.61 1.55,0.89
  Top region: -1.2,0.61 -1.139,0.624 -1.09,0.663 -1.063,0.719 -1.063,0.781 -1.09,0.837 -1.139,0.876 -1.2,0.89 -1.2,0.89 -1.55,0.89 -1.55,0.61
  silkscreen extent -1.73,-1.73 1.73,1.73, body extent -1.58,-1.58 1.58,1.58, height 0.8
COM_BUF_DS90LV001TLD/NOPB [mm] "SON, 8-Leads, Body 3.00x3.00mm, Pitch 0.50mm, Thermal Pad 2.00x1.20mm, IPC Medium Density"
  rect 0.5x0.25 smd: 1(-1.15,0.75) 2(-1.15,0.25) 3(-1.15,-0.25) 4(-1.15,-0.75) 5(1.15,-0.75) 6(1.15,-0.25) 7(1.15,0.25) 8(1.15,0.75)
  rect 1.2x2 smd: 9(0,0)
  silkscreen extent -1.82,-1.66 1.66,1.66, body extent -1.55,-1.55 1.55,1.55, height 0.8
COM_ESP32-WROOM-32UE(8MB) [mm]
  rrect20% 2x0.9 smd: 1(-8.5,7.5) 2(-8.5,6.23) 3(-8.5,4.96) 4(-8.5,3.69) 5(-8.5,2.42) 6(-8.5,1.15) 7(-8.5,-0.12) 8(-8.5,-1.39) 9(-8.5,-2.66) 10(-8.5,-3.93) 11(-8.5,-5.2) 12(-8.5,-6.47) 13(-8.5,-7.74) 14(-8.5,-9.01) 25(8.5,-9.01) 26(8.5,-7.74) 27(8.5,-6.47) 28(8.5,-5.2) 29(8.5,-3.93) 30(8.5,-2.66) 31(8.5,-1.39) 32(8.5,-0.12) 33(8.5,1.15) 34(8.5,2.42) 35(8.5,3.69) 36(8.5,4.96) 37(8.5,6.23) 38(8.5,7.5)
  rrect20% 0.9x2 smd: 15(-5.715,-10.01) 16(-4.445,-10.01) 17(-3.175,-10.01) 18(-1.905,-10.01) 19(-0.635,-10.01) 20(0.635,-10.01) 21(1.905,-10.01) 22(3.175,-10.01) 23(4.445,-10.01) 24(5.715,-10.01)
  rrect0% 1.33x1.33 smd: 39(-2.835,1.835) 39(-2.835,0) 39(-2.835,-1.835) 39(-1,1.835) 39(-1,0) 39(-1,-1.835) 39(0.835,1.835) 39(0.835,0) 39(0.835,-1.835)
  Top region: -3.5,-2.5 1.5,-2.5 1.5,2.5 -3.5,2.5
  silkscreen extent -9.17,-10.73 9.17,8.83, body extent -9.03,-10.55 9.04,8.69, height 3.4
COM_ETH_LAN8742A-CZ-TR [mm] "24SQFN"
  rrect50% 0.85x0.25 smd: 1(-1.968,1.25) 2(-1.968,0.75) 3(-1.968,0.25) 4(-1.968,-0.25) 5(-1.968,-0.75) 6(-1.968,-1.25) 13(1.968,-1.25) 14(1.968,-0.75) 15(1.968,-0.25) 16(1.968,0.25) 17(1.968,0.75) 18(1.968,1.25)
  rrect50% 0.25x0.85 smd: 7(-1.25,-1.968) 8(-0.75,-1.968) 9(-0.25,-1.968) 10(0.25,-1.968) 11(0.75,-1.968) 12(1.25,-1.968) 19(1.25,1.968) 20(0.75,1.968) 21(0.25,1.968) 22(-0.25,1.968) 23(-0.75,1.968) 24(-1.25,1.968)
  rect 2.55x2.55 smd: 25(0,0)
  silkscreen extent -2.54,-2.17 2.17,2.17, body extent -2.04,-2.04 2.05,2.05, height 1.4
COM_USB_FT4232HL-REEL [mm] "TSQFP, 64-Leads, Body 10,00x10,00mm"
  rrect25% 1.56x0.28 smd: 1(-5.68,3.75) 2(-5.68,3.25) 3(-5.68,2.75) 4(-5.68,2.25) 5(-5.68,1.75) 6(-5.68,1.25) 7(-5.68,0.75) 8(-5.68,0.25) 9(-5.68,-0.25) 10(-5.68,-0.75) 11(-5.68,-1.25) 12(-5.68,-1.75) 13(-5.68,-2.25) 14(-5.68,-2.75) 15(-5.68,-3.25) 16(-5.68,-3.75) 33(5.68,-3.75) 34(5.68,-3.25) 35(5.68,-2.75) 36(5.68,-2.25) 37(5.68,-1.75) 38(5.68,-1.25) 39(5.68,-0.75) 40(5.68,-0.25) 41(5.68,0.25) 42(5.68,0.75) 43(5.68,1.25) 44(5.68,1.75) 45(5.68,2.25) 46(5.68,2.75) 47(5.68,3.25) 48(5.68,3.75)
  rrect25% 0.28x1.56 smd: 17(-3.75,-5.68) 18(-3.25,-5.68) 19(-2.75,-5.68) 20(-2.25,-5.68) 21(-1.75,-5.68) 22(-1.25,-5.68) 23(-0.75,-5.68) 24(-0.25,-5.68) 25(0.25,-5.68) 26(0.75,-5.68) 27(1.25,-5.68) 28(1.75,-5.68) 29(2.25,-5.68) 30(2.75,-5.68) 31(3.25,-5.68) 32(3.75,-5.68) 49(3.75,5.68) 50(3.25,5.68) 51(2.75,5.68) 52(2.25,5.68) 53(1.75,5.68) 54(1.25,5.68) 55(0.75,5.68) 56(0.25,5.68) 57(-0.25,5.68) 58(-0.75,5.68) 59(-1.25,5.68) 60(-1.75,5.68) 61(-2.25,5.68) 62(-2.75,5.68) 63(-3.25,5.68) 64(-3.75,5.68)
  silkscreen extent -5.87,-4.6 4.6,4.6, body extent -6,-6 6,6, height 1.58
COM_XCV_FIN1027AMCOM [mm] "8-SOIC"
  rrect30% 1.75x0.65 smd: 1(-2.8,1.905) 2(-2.8,0.635) 3(-2.8,-0.635) 4(-2.8,-1.905) 5(2.8,-1.905) 6(2.8,-0.635) 7(2.8,0.635) 8(2.8,1.905)
  silkscreen extent -2.85,-2.6 1.6,2.88, body extent -3,-2.5 3,2.5, height 1.75
COM_XCV_FIN1028MX [mm] "8-SOIC"
  rrect30% 1.75x0.65 smd: 1(-2.8,1.905) 2(-2.8,0.635) 3(-2.8,-0.635) 4(-2.8,-1.905) 5(2.8,-1.905) 6(2.8,-0.635) 7(2.8,0.635) 8(2.8,1.905)
  silkscreen extent -2.85,-2.6 1.6,2.88, body extent -3,-2.5 3,2.5, height 1.75
"CON_ 1935161" [mm]
  rect 1.85x1.85 hole 1.3: 1(0,0)
  round 1.85 hole 1.3: 2(5,0)
  silkscreen extent -3.63,-5.16 7.65,4.14, body extent -2.5,-5 8.07,4, height 11.4
CON_ETH_J1B1211CCD_WIZ [mil] "ETH with mags"
  round 148 hole 128: 0(-75,-101.57) 0(375,-101.57)
  rect 55x55 / inner round 55 / far side round 55 hole 35.43: 1(-25,149.21)
  round 55 hole 35.43: 2(25,249.21) 3(75,149.21) 4(125,249.21) 5(175,149.21) 6(225,249.21) 7(275,149.21) 8(325,249.21)
  round 61 hole 41: 9(-99.02,-301.57) 10(0.98,-233.86) 11(299.02,-300.79) 12(399.02,-233.86)
  round 83 hole 63: 13(-160.04,18.5) 14(460.04,18.5)
  silkscreen extent -247,-530 475,328, body extent -204,-525 506,313, height 565
CON_HDR_PREC008DAAN-RC [mm]
  rect 1.8x1.8 hole 1: 1(-1.27,8.89)
  round 1.8 hole 1: 2(1.27,8.89) 3(-1.27,6.35) 4(1.27,6.35) 5(-1.27,3.81) 6(1.27,3.81) 7(-1.27,1.27) 8(1.27,1.27) 9(-1.27,-1.27) 10(1.27,-1.27) 11(-1.27,-3.81) 12(1.27,-3.81) 13(-1.27,-6.35) 14(1.27,-6.35) 15(-1.27,-8.89) 16(1.27,-8.89)
  silkscreen extent -3.38,-10.29 2.67,10.29, body extent -2.54,-10.16 2.54,10.16, height 8.37
CON_HDR_PREC009DAAN-RC [mm] "18 pin header 100 mils"
  rect 1.8x1.8 hole 1: 1(-1.27,5.08)
  round 1.8 hole 1: 2(1.27,5.08) 3(-1.27,2.54) 4(1.27,2.54) 5(-1.27,0) 6(1.27,0) 7(-1.27,-2.54) 8(1.27,-2.54) 9(-1.27,-5.08) 10(1.27,-5.08)
  silkscreen extent -3.26,-6.48 2.67,6.48, body extent -2.54,-6.35 2.54,6.35, height 8.43
CON_JMP_SNT-100-BK-T-H [mm] "100 Mil Header Jumper"
  body extent -2.54,-1.27 2.54,1.27, height 16.51
CON_PWR_PJ-002A [mm]
  oval 2x5 hole 0.8 slot 3.8 at 90 deg mask+0.07: 1(-6.25,0) 2(0,0)
  oval 5x2 hole 0.8 slot 3.8 at 0 deg mask+0.07: 3(-3.25,4.8)
  silkscreen extent -8.31,-4.8 7.8,5.3, body extent -6.8,-4.5 7.5,5, height 11.02
CON_USB_3.2_TypeC_12401598E4#2A [mm]
  oval 0.8x1.4 hole 0.5 slot 1.1 at 90 deg: 1(-4.13,-1.25) 2(-4.49,-7.2) 3(4.49,-7.2) 4(4.13,-1.25)
  rect 0.3x0.7 smd: A1(-2.75,0.66) A2(-2.25,0.66) A3(-1.75,0.66) A4(-1.25,0.66) A5(-0.75,0.66) A6(-0.25,0.66) A7(0.25,0.66) A8(0.75,0.66) A9(1.25,0.66) A10(1.75,0.66) A11(2.25,0.66) A12(2.75,0.66) B1(2.5,-1.04) B2(2,-1.04) B3(1.5,-1.04) B4(1,-1.04) B5(0.5,-1.04) B6(0,-1.04) B7(-0.5,-1.04) B8(-1,-1.04) B9(-1.5,-1.04) B10(-2,-1.04) B11(-2.5,-1.04) B12(-3,-1.04)
  round 0.65 hole 0.65 unplated: ""(-3.6,0)
  oval 0.95x0.65 hole 0.65 slot 0.95 at 0 deg: ""(3.6,0)
  silkscreen extent -4.6,-6 4.6,0.91, body extent -4.6,-9.6 4.6,0.9, height 3.28
CON_USB_10118194-0001LF [mm] "CONN USB MICRO B RECPT SMT R/A"
  rrect50% 0.4x1.35 smd: 1(-1.3,2.7) 2(-0.65,2.7) 3(0,2.7) 4(0.65,2.7) 5(1.3,2.7)
  rrect100% 1.25x0.95 hole 0.55 slot 0.85 at 0 deg: 6(2.5,2.7) 11(-2.5,2.7)
  rrect100% 0.95x1.55 hole 0.5 slot 1.15 at 90 deg: 7(3.5,0) 10(-3.5,0)
  rect 1.5x1.55 smd: 8(1,0) 9(-1,0)
  Top region: -2.3,0.775 -3.5,0.775 -3.5,-0.775 -2.3,-0.775
  Top region: 2.3,-0.775 3.5,-0.775 3.5,0.775 2.3,0.775
  silkscreen extent -4.3,-1.2 4.3,4.13, body extent -4.03,-2.69 4.02,2.89, height 2.72
CRY_FA-20H [mm] "CRY - FA-20H 4-SMD"
  rrect20% 1.2x1.1 smd: 1(-0.85,-0.7) 2(0.85,-0.7) 3(0.85,0.7) 4(-0.85,0.7)
  silkscreen extent -1.8,-1.45 1.65,1.45, body extent -1.3,-1.05 1.3,1.05, height 0.55
CRY_VMK3-9005-32K7680000 [mm] "CRY - 32.768KHZ tol:20ppm 9PF - 2-SMD"
  rrect20% 1x1.8 smd: 1(-1.275,0) 2(1.275,0)
  Top keep-out region: -0.725,-0.9 0.725,-0.9 0.725,0.9 -0.725,0.9
  silkscreen extent -0.5,-1 0.5,1, body extent -1.65,-0.8 1.65,0.8, height 0.65
DIO_EAST1616RGBA3#1 [mm] "Diode Red/Green/Blue"
  rect 0.6x0.65 smd paste-0.025 mask+0.05: 1(0.7,0.45) 2(-0.7,0.45) 3(0.7,-0.45) 4(-0.7,-0.45)
  silkscreen extent -0.25,-1 1.14,1.47, body extent -0.8,-0.8 0.8,0.8, height 0.46
DIO_EAST1616RGBA3#2 [mm] "Diode Red/Green/Blue"
  rect 0.6x0.65 smd: 1(0.7,0.45) 2(-0.7,0.45) 3(0.7,-0.45) 4(-0.7,-0.45)
  silkscreen extent -0.25,-1 1.14,1.47, body extent -0.8,-0.8 0.8,0.8, height 0.46
DIO_ZENER_BZX84-B4V3,215#1 [mm]
  rect 0.7x0.6 smd: 1(-1,0.95) 2(-1,-0.95) 3(1,0)
  silkscreen extent -1.12,-1.6 0.81,1.92, body extent -1.3,-1.5 1.3,1.5, height 1.1
DIO_ZENER_BZX84-B4V3,215#2 [mm]
  rect 0.7x0.6 smd paste-0.025 mask+0.07: 1(-1,0.95) 2(-1,-0.95) 3(1,0)
  silkscreen extent -1.12,-1.6 0.81,1.92, body extent -1.3,-1.5 1.3,1.5, height 1.1
FER_0402 [mil] "Ferrite - 0402"
  rrect60% 20x20 smd: 1(-17.5,0) 2(17.5,0)
  silkscreen extent -33,-17 33,17, body extent -20,-10 20,10, height 19
FER_0603 [mil] "Ferrite - 0603"
  rrect35% 35x34 smd: 1(-29.5,0) 2(29.5,0)
  silkscreen extent -53,-24 53,24, body extent -31,-16 32,16, height 31
FER_0805#1 [mil] "Ferrite - 0805"
  rrect37% 43x55 smd paste+0 mask+1.97: 1(-33.5,0) 2(33.5,0)
  silkscreen extent -61,-33 61,33, body extent -39,-24 39,24, height 35
FER_0805#2 [mil] "Ferrite - 0805"
  rrect37% 43x55 smd: 1(-33.5,0) 2(33.5,0)
  silkscreen extent -61,-33 61,33, body extent -39,-24 39,24, height 35
FID_CIRCLE_1MM [mm]
  round 1 smd paste-1 mask+1: 1(0,0)
  round 1 smd far side paste-1 mask+1: 2(0,0)
  Top keep-out circle w1: c0,0 r1
  Bottom keep-out circle w1: c0,0 r1
  silkscreen extent -1.65,-1.65 1.65,1.65
FUS_0154XXX.DR [mm] "FUSE BRD MNT 2SMD"
  rect 4.242x3.81 smd paste+0 mask+0.102: 1(-3.185,0) 2(3.185,0)
  silkscreen extent -5.7,-2.7 5.7,2.7, body extent -4.85,-2.5 4.85,2.5, height 3.69
LED_7SEG_INND-TS30RAB [mm] "100milsx200mils TH"
  rect 1.51x1.51 hole 0.81: 1(-2.54,5.08)
  round 1.51 hole 0.81: 2(-2.54,2.54) 3(-2.54,0) 4(-2.54,-2.54) 5(-2.54,-5.08) 6(2.54,-5.08) 7(2.54,-2.54) 8(2.54,0) 9(2.54,2.54) 10(2.54,5.08)
  silkscreen extent -4.76,-6.6 4.08,6.6, body extent -3.81,-6.35 3.81,6.35, height 6.25
LED_SML-D12P8WT86#1 [mm] "0603"
  rect 0.8x0.8 smd: A(0.825,0) K(-0.825,0)
  silkscreen extent -1.45,-0.48 0.13,0.48, body extent -0.8,-0.4 0.8,0.4, height 0.6
LED_SML-D12P8WT86#2 [mm] "0603"
  rect 0.8x0.8 smd paste-0.025 mask+0.07: A(0.825,0) K(-0.825,0)
  silkscreen extent -1.45,-0.48 0.13,0.48, body extent -0.8,-0.4 0.8,0.4, height 0.6
LED_SML-D12U8WT86#1 [mm] "0603"
  rect 0.8x0.8 smd: A(0.825,0) K(-0.825,0)
  silkscreen extent -1.45,-0.48 0.13,0.48, body extent -0.8,-0.4 0.8,0.4, height 0.6
LED_SML-D12U8WT86#2 [mm] "0603"
  rect 0.8x0.8 smd paste-0.025 mask+0.07: A(0.825,0) K(-0.825,0)
  silkscreen extent -1.45,-0.48 0.13,0.48, body extent -0.8,-0.4 0.8,0.4, height 0.6
LOG_AND_74LVC1G11DW-7 [mm] "SOT23, 6-Leads, Body 2,00x2,10mm, Pitch 0,65mm, IPC Medium Density"
  rrect20% 0.6x0.42 smd paste-0.025 mask+0.05: 1(-0.95,0.65) 2(-0.95,0) 3(-0.95,-0.65) 4(0.95,-0.65) 5(0.95,0) 6(0.95,0.65)
  silkscreen extent -1.13,-1.22 0.45,1.27, body extent -1.1,-1.1 1.1,1.1, height 1.1
LOG_BUF_74LVC126APW,118#1 [mm]
  rrect20% 1.35x0.35 smd: 1(-2.925,1.95) 2(-2.925,1.3) 3(-2.925,0.65) 4(-2.925,0) 5(-2.925,-0.65) 6(-2.925,-1.3) 7(-2.925,-1.95) 8(2.925,-1.95) 9(2.925,-1.3) 10(2.925,-0.65) 11(2.925,0) 12(2.925,0.65) 13(2.925,1.3) 14(2.925,1.95)
  silkscreen extent -3.05,-2.55 1.85,2.77, body extent -3.2,-2.55 3.2,2.55, height 1.1
LOG_BUF_74LVC126APW,118#2 [mm]
  rrect20% 1.35x0.35 smd paste-0.025 mask+0.07: 1(-2.925,1.95) 2(-2.925,1.3) 3(-2.925,0.65) 4(-2.925,0) 5(-2.925,-0.65) 6(-2.925,-1.3) 7(-2.925,-1.95) 8(2.925,-1.95) 9(2.925,-1.3) 10(2.925,-0.65) 11(2.925,0) 12(2.925,0.65) 13(2.925,1.3) 14(2.925,1.95)
  silkscreen extent -3.05,-2.55 1.85,2.77, body extent -3.2,-2.55 3.2,2.55, height 1.1
"LOG_BUF_ 74AHC1G07GV,125"#1 [mm]
  rrect20% 1x0.55 smd: 1(-1.3,0.95) 2(-1.3,0) 3(-1.3,-0.95) 4(1.3,-0.95) 5(1.3,0.95)
  silkscreen extent -1.47,-1.62 0.45,1.87, body extent -1.5,-1.55 1.5,1.55, height 1.1
"LOG_BUF_ 74AHC1G07GV,125"#2 [mm]
  rrect20% 1x0.55 smd paste-0.025 mask+0.07: 1(-1.3,0.95) 2(-1.3,0) 3(-1.3,-0.95) 4(1.3,-0.95) 5(1.3,0.95)
  silkscreen extent -1.47,-1.62 0.45,1.87, body extent -1.5,-1.55 1.5,1.55, height 1.1
"LOG_BUF_ 74LVC1G126GV,125" [mm]
  rrect20% 1x0.55 smd paste-0.025 mask+0.07: 1(-1.3,0.95) 2(-1.3,0) 3(-1.3,-0.95) 4(1.3,-0.95) 5(1.3,0.95)
  silkscreen extent -0.45,-1.62 0.45,1.65, body extent -1.5,-1.55 1.5,1.55, height 1.1
LOG_BUF_TC7PZ05FU,LJ(CT#1 [mm]
  rrect20% 0.8x0.4 smd: 1(-1,0.65) 2(-1,0) 3(-1,-0.65) 4(1,-0.65) 5(1,0) 6(1,0.65)
  silkscreen extent -1.22,-1.17 0.3,1.52, body extent -1.07,-1.1 1.07,1.1, height 0.9
LOG_BUF_TC7PZ05FU,LJ(CT#2 [mm]
  rrect20% 0.8x0.4 smd paste-0.25 mask+0.07: 1(-1,0.65) 2(-1,0) 3(-1,-0.65) 4(1,-0.65) 5(1,0) 6(1,0.65)
  silkscreen extent -1.22,-1.17 0.3,1.52, body extent -1.07,-1.1 1.07,1.1, height 0.9
LOG_IOEXP_TCA9539RGER [mm] "24 VQFN"
  rrect10% 0.6x0.24 smd paste+0 mask+0.07: 1(-1.9,1.25) 2(-1.9,0.75) 3(-1.9,0.25) 4(-1.9,-0.25) 5(-1.9,-0.75) 6(-1.9,-1.25) 13(1.9,-1.25) 14(1.9,-0.75) 15(1.9,-0.25) 16(1.9,0.25) 17(1.9,0.75) 18(1.9,1.25)
  rrect10% 0.24x0.6 smd paste+0 mask+0.07: 7(-1.25,-1.9) 8(-0.75,-1.9) 9(-0.25,-1.9) 10(0.25,-1.9) 11(0.75,-1.9) 12(1.25,-1.9) 19(1.25,1.9) 20(0.75,1.9) 21(0.25,1.9) 22(-0.25,1.9) 23(-0.75,1.9) 24(-1.25,1.9)
  rrect10% 2.45x2.45 smd paste-5 mask+0.07: 25(0,0)
  silkscreen extent -2.52,-2.2 2.2,2.2, body extent -2.13,-2.13 2.13,2.13, height 0.74